# KiCad board Phoenixia2.kicad_pcb (continued)
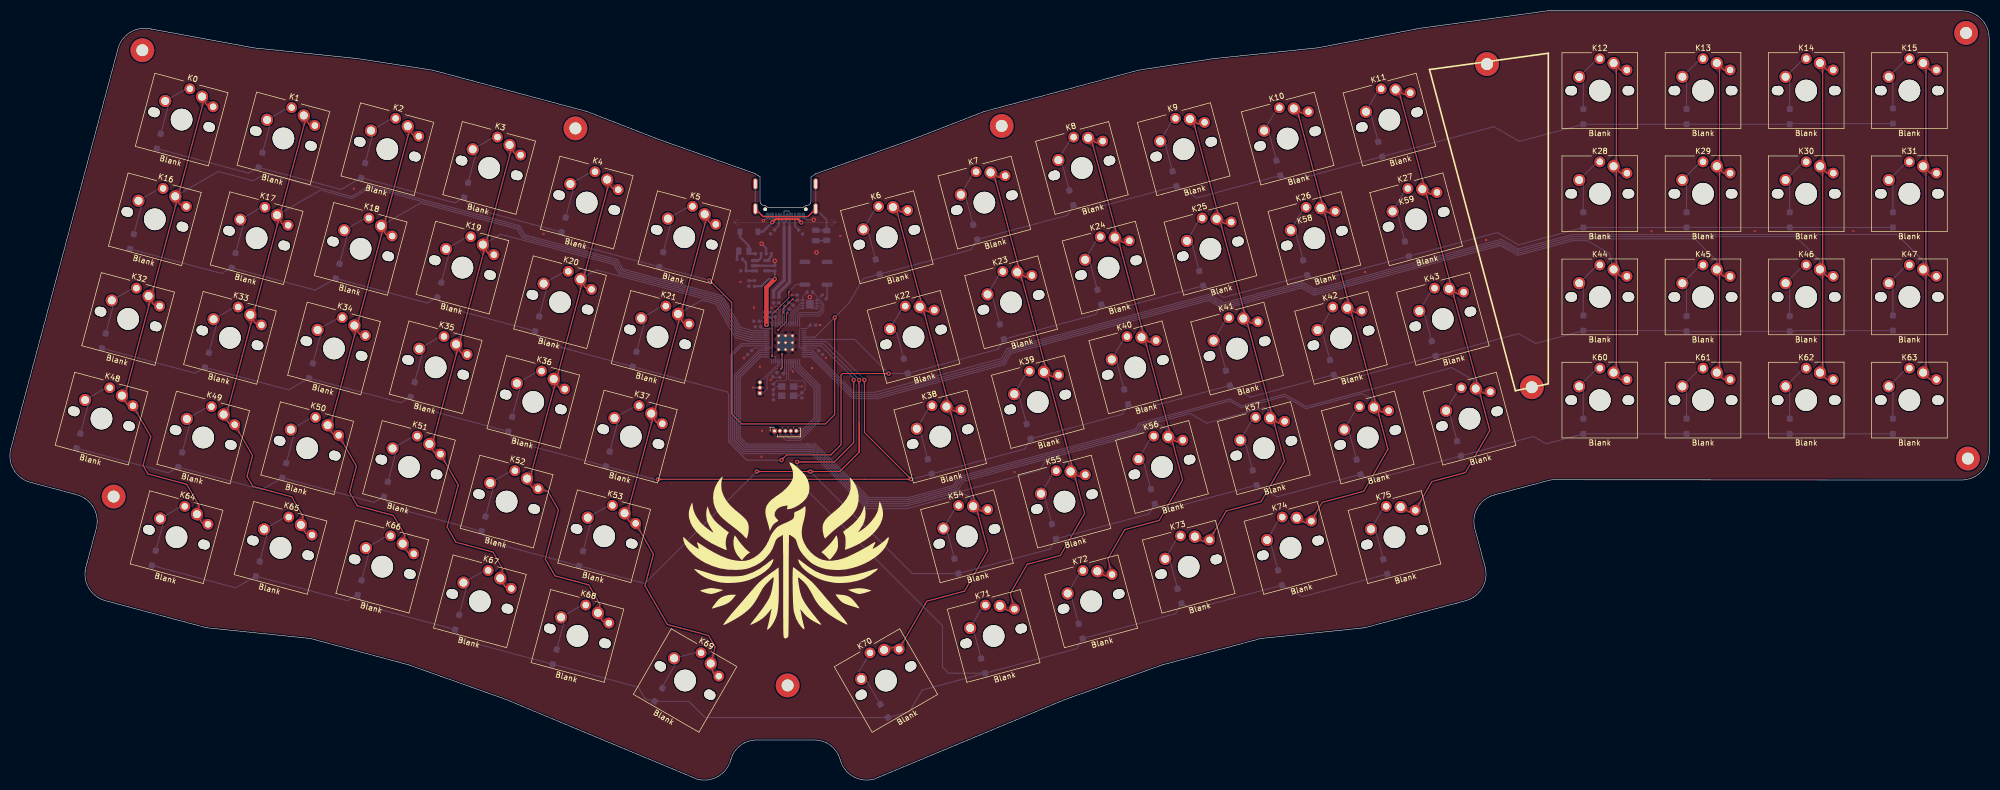
[diagram p0: board, top side]
## Nets (continued)
Net-(D57-A): D57.2 K57.2
Net-(D58-A): D58.2 K58.2
Net-(D59-A): D59.2 K59.2
Net-(D60-A): D60.2 K60.2
Net-(D61-A): D61.2 K61.2
Net-(D62-A): D62.2 K62.2
Net-(D63-A): D63.2 K63.2
Net-(D64-A): D64.2 K64.2
Net-(D65-A): D65.2 K65.2
Net-(D66-A): D66.2 K66.2
Net-(D67-A): D67.2 K67.2
Net-(D68-A): D68.2 K68.2
Net-(D69-A): D69.2 K69.2
Net-(D70-A): D70.2 K70.2
Net-(D71-A): D71.2 K71.2
Net-(D72-A): D72.2 K72.2
Net-(D73-A): D73.2 K73.2
Net-(D74-A): D74.2 K74.2
Net-(D75-A): D75.2 K75.2
Net-(F1-Pad1): F1.1 FB1.1
Net-(U1-BP): CBP1.1 U1.4
Net-(U1-IN): C1.1 FB1.2 U1.1
Net-(U3-USB_DM): R4.2 U3.46
Net-(U3-USB_DP): R3.2 U3.47
Net-(USB1-CC1): R5.2 USB1.A5
Net-(USB1-CC2): R6.2 USB1.B5
Net-(USB1-SHIELD): C9.1 R8.1 USB1.S1

Pads without a net: DLED1 2; H2 1; H2#2 1; H2#3 1; H2#4 1; H2#5 1; H2#6 1; H2#7 1; H2#8 1; H2#9 1; R9 1; USB1 A8 B8

## Via types
v1: diameter 0.4, hole 0.2, Top to Bottom, 32 vias
v2: diameter 0.8, hole 0.4, Top to Bottom, 21 vias
v3: diameter 0.6, hole 0.3, Top to Bottom, 1 via

## Routing (per net, layer and track width the routed paths; a pad name or vN(x,y) marks a point on that pad's centre or on a via; arc(x,y) is an arc through that point)
3V3_EN: length 2.2
  Bottom w0.4: U1.3 138.16,95.91 138.67,96.42 R7.1
+1V1: length 14.3
  Top w0.15: v1(141.79,83.07) 143.39,84.67 143.39,86.11 v1(143.57,86.29)
  Top w0.2: v1(142.56,78.68) 142.56,76.14 v1(142.34,75.92)
  Bottom w0.15: C6.1 141.62,75.21 v1(142.34,75.92) ; C3.1 141.39,85.41 U3.45 141.39,83.77 ; U3.50 143.39,86.11 v1(143.57,86.29) 143.57,86.57 C7.1 ; 141.84,83.07 v1(141.79,83.07)
  Bottom w0.2: U3.23 142.59,76.17 v1(142.34,75.92)
+3V3: length 58.2
  Top w0.15: v1(142.77,86.26) 142.77,87.03 v1(144.55,88.81)
  Top w0.8: v2(139.69,84.09) 139.66,84.11 139.66,90.96 v2(141.21,92.51)
  Bottom w0.15: U3.43 140.59,84.24 139.39,85.44 C102.1 ; C15.1 147.13,83.37 U3.1 146.61,83.36 145.94,83.36 145.74,83.16 145.74,79.97 145.94,79.77 U3.10 148.82,79.77 C14.1 ; 142.99,85.93 142.99,86.58 ; 142.99,85.93 U3.49 ; 142.99,85.93 142.99,86.04 v1(142.77,86.26) ; 142.99,86.58 142.99,86.48 v1(142.77,86.26) ; 142.99,86.58 142.99,87.44 C11.1 142.59,87.04 142.59,86.53 ; U3.22 142.99,75.22 C8.1 ; C18.1 139.06,84.72 v2(139.69,84.09) ; v1(144.55,88.81) 144.76,88.6 C5.1 FLASH1.8 146.4,89.32 R2.1 ; v1(142.77,86.26) 142.59,86.08 142.59,85.93 ; v1(142.77,86.26) 142.59,86.44 142.59,86.53 ; C13.1 137.39,79.76 139.74,79.76 U3.33 140.39,79.77 140.74,80.12 140.74,83.22 140.59,83.37 U3.42 138.92,83.37 C16.1 ; 142.59,86.53 142.59,85.93 ; 142.59,85.93 U3.48 ; U3.44 140.99,84.78 140.33,85.44 C10.1
  Bottom w0.4: U1.5 139.75,94.01 C4.1 v2(141.21,92.51) 141.16,92.46 140.04,92.46 138.76,91.19 R9.2
GND: length 28.6
  Bottom w0.15: v1(149.59,84.01) 149.57,83.99 C15.2 ; C5.2 144.36,89.56 v1(144.34,89.54) ; C8.2 141.05,74.35 C6.2 ; C3.2 141.16,86.4 C102.2 ; 136.22,78.61 v1(135.49,77.87)
  Bottom w0.2: J5.2 138.44,72.47 v1(137.24,72.47) ; USB1.A12 147.24,103.44 148.38,103.44 v2(148.39,103.45) ; v2(147.69,89.19) FLASH1.9 148.44,87.1 FLASH1.4 ; v1(140.41,73.92) 140.87,74.38 C6.2 ; v3(139.11,103.29) 139.89,104.06 USB1.A1 ; v1(144.58,75.41) 144.19,75.8 U3.19 ; 144.74,72.72 Y1.4 v1(146.21,72.67)
  Bottom w0.25: C7.2 144.07,88.18 C11.2 ; J2.2 150.86,95.99 ; C13.2 136.22,78.61
  Bottom w0.3: R8.2 150.73,99.6 C9.2
  Bottom w0.4: v2(141.21,95.86) C4.2 137.48,94.97 U1.2 ; CBP1.2 139.61,98.21 138.78,99.04 v2(138.77,99.04)
  vias: v1(63.51,109.18) v1(98.49,100.85) v1(134.89,91.94) v1(137.36,87.24) v1(138.49,76.34) v1(138.74,59.69) v1(138.86,64.49) v1(140.61,87.2) v1(148.09,76.04) v1(150.64,77.96) v1(153.31,100.44) v1(185.46,56.84) v1(250.17,93.79) v1(272.52,99.72) v1(303.05,101.33) v1(322.11,101.35) v1(340.33,101.37) v2(148.91,97.41)
VBUS: length 12.3
  Top w0.4: v2(140.74,102.97) 141.32,103.56 145.49,103.56 v2(146.11,102.94)
  Bottom w0.4: 139.71,101.94 139,101.24 D100.2 ; 139.71,101.94 v2(140.74,102.97) USB1.A4 ; 139.71,101.94 139.42,101.66 ; v2(146.11,102.94) 145.64,103.41 USB1.A9
/QSPI_SCLK: length 4.6
  Bottom w0.15: FLASH1.6 145.98,87.6 144.19,85.81 U3.52
/QSPI_SD0: length 3.9
  Bottom w0.15: FLASH1.5 145.94,87.1 144.59,85.75 U3.53
/QSPI_SD1: length 8.5
  Bottom w0.15: U3.55 145.39,85.47 145.93,86.01 149.28,86.01 149.93,86.66 149.93,87.77 149.6,88.1 FLASH1.2
/QSPI_SD2: length 7.7
  Bottom w0.15: FLASH1.3 149.33,87.6 149.61,87.32 149.61,86.8 149.15,86.34 145.8,86.34 144.99,85.53 U3.54
/QSPI_SD3: length 5.2
  Bottom w0.15: FLASH1.7 146.01,88.1 143.79,85.87 U3.51
/QSPI_SS: length 12.3
  Bottom w0.15: FLASH1.1 148.99,88.6 R1.1 ; FLASH1.1 149.57,88.6 150.26,87.9 150.26,86.53 149.42,85.68 146.07,85.68 145.79,85.4 U3.56 ; FLASH1.1 148.97,89.32 R2.2
/RUN: length 18.5
  Top w0.15: v1(140.71,78.27) 140.71,85.97 143.81,89.07 v1(143.81,90.17)
  Bottom w0.15: U3.26 141.39,78.07 141.19,78.27 v1(140.71,78.27) ; 147.11,91.51 145.14,91.51 143.81,90.19 v1(143.81,90.17)
/SWCLK: length 7.9
  Bottom w0.15: U3.24 142.19,76.47 141.69,75.97 141.39,75.97 139.79,74.37 139.79,72.19 139.04,71.44 J5.1
/SWD: length 5.7
  Bottom w0.15: J5.3 138.46,73.84 138.61,73.99 138.99,73.99 141.41,76.42 141.7,76.42 141.79,76.51 U3.25
/~{USB_BOOT}: length 2.7
  Bottom w0.25: R1.2 150.86,89.02 J2.1
Col_0: length 220.7
  Top w0.2: K16.1 30.89,107.15 26.23,89.74 K32.1 ; K16.1 31.43,106.21 K16.1 ; K16.1 31.16,108.14 35.83,125.57 K0.1 36.37,124.62 K0.1 ; K32.1 26.5,87.81 K32.1 ; K32.1 25.96,88.75 21.3,71.35 K48.1 21.58,69.42 K48.1 26.01,63.42 24.58,58.08 25.48,56.53 32.64,54.61 34.94,50.63 K64.1 35.43,47.53 K64.1
  Bottom w0.2: U3.41 137.13,82.97 134.92,83.56 131.53,89.42 113.14,94.35 112.14,96.09 95.07,100.66 94.09,102.36 66.53,109.75 63.06,107.75 47.23,111.99 44.9,110.64 38.47,112.36 K16.1
Col_1: length 200
  Top w0.2: K49.1 40.36,65.93 K49.1 44.79,59.92 43.77,56.1 44.85,54.23 52.03,52.31 54.14,48.66 K65.1 54.63,45.55 K65.1 ; K49.1 40.09,67.86 44.75,85.27 K33.1 ; K49.1 39.39,67.26 39.09,67.08 ; K17.1 50.22,102.73 K17.1 ; K33.1 45.29,84.33 K33.1 ; K33.1 45.02,86.26 49.68,103.67 K17.1 ; K17.1 49.95,104.66 54.62,122.09 K1.1 55.16,121.14 K1.1
  Bottom w0.2: U3.40 137.04,82.57 134.81,83.16 134.81,83.17 134.73,83.19 131.3,89.12 112.91,94.05 111.91,95.79 94.84,100.36 93.86,102.06 66.58,109.37 63.36,107.51 63.11,107.37 57.32,108.92 K17.1
Col_2: length 180.3
  Top w0.2: K34.1 64.21,84.29 68.87,101.7 K18.1 ; K34.1 64.5,82.36 K34.1 ; K34.1 63.95,83.32 59.28,65.88 K50.1 59.56,63.95 K50.1 63.99,57.95 62.7,53.13 64.13,50.64 70.8,48.85 72.92,45.19 K66.1 73.42,42.08 K66.1 ; K2.1 74.35,119.16 K2.1 73.81,120.1 69.14,102.68 K18.1 ; K18.1 69.42,100.76 K18.1
  Bottom w0.2: U3.39 136.94,82.17 134.53,82.81 131.06,88.82 112.68,93.75 111.68,95.49 94.61,100.06 93.63,101.76 75.81,106.53 K18.1
Col_3: length 162.6
  Top w0.2: K35.1 82.73,79.82 78.07,62.42 K51.1 78.35,60.48 K51.1 82.78,54.47 80.7,46.73 82.32,43.93 89.19,42.09 90.99,38.98 K67.1 91.43,35.69 K67.1 ; K35.1 83,80.82 87.67,98.24 K19.1 ; K35.1 83.28,78.89 K35.1 ; K19.1 88.22,97.3 K19.1 ; K19.1 87.93,99.22 92.6,116.64 K3.1 93.15,115.7 K3.1
  Bottom w0.2: U3.38 136.85,81.77 134.34,82.44 130.83,88.52 112.45,93.45 111.45,95.19 90.61,100.77 K19.1
Col_4: length 143.9
  Top w0.2: K52.1 95.4,55.42 95.39,55.41 ; K52.1 96.37,54.1 K52.1 99.3,53.32 101.27,49.89 98.84,40.82 100.64,37.71 106.85,36.04 108.95,32.4 K68.1 109.45,29.3 K68.1 ; K52.1 96.08,56.03 100.75,73.44 K36.1 ; K20.1 106.23,90.9 K20.1 ; K20.1 105.68,91.86 101.01,74.42 K36.1 ; K20.1 105.94,92.83 110.61,110.26 K4.1 111.16,109.31 K4.1 ; K36.1 101.29,72.49 K36.1
  Bottom w0.2: K20.1 108.3,94.19 130.59,88.21 134.14,82.07 136.75,81.37 U3.37
Col_5: length 128.9
  Top w0.2: K37.1 119.02,68.02 123.69,85.46 K21.1 ; K37.1 118.76,67.05 114.09,49.62 K53.1 ; K37.1 119.31,66.1 K37.1 ; K21.1 124.24,84.5 K21.1 ; K21.1 123.95,86.42 128.62,103.86 K5.1 129.17,102.9 K5.1 ; 113.77,49.44 113.48,49.27 K53.1 ; K53.1 114.38,47.7 K53.1 118.8,41.71 117.24,35.89 121.37,28.73 128.98,26.69 130.2,24.58 K69.1 129.85,19.77 K69.1
  Bottom w0.2: U3.36 136.66,80.97 133.91,81.7 130.32,87.91 127.73,88.61 K21.1
Col_6: length 183.8
  Top w0.2: K70.1 163.42,24.59 K70.1 ; K38.1 173.25,69.6 168.58,87.01 K22.1 ; K38.1 173.51,68.61 178.18,51.19 K54.1 ; K38.1 174.46,68.07 K38.1 ; 168.94,32.47 164.15,24.18 ; 168.94,32.47 169.09,32.72 ; 168.94,32.47 169.26,33.03 176.23,34.9 180.54,42.36 178.45,50.19 K54.1 ; K22.1 168.32,88 163.65,105.42 K6.1 164.59,104.87 K6.1 ; K22.1 169.52,86.47 K22.1 ; K54.1 179.38,49.65 K54.1
  Bottom w0.2: U3.35 135.01,80.57 133.05,78.61 133.05,62.55 135.33,60.27 148,60.27 158.16,50.11 165.5,50.11 175.98,52.92 177.4,52.1 K54.1
Col_7: length 200.8
  Top w0.2: K39.1 191.52,75 196.18,57.6 K55.1 ; K39.1 192.46,74.46 K39.1 ; K39.1 191.26,75.99 186.59,93.4 K23.1 ; K55.1 197.39,56.07 K55.1 ; K55.1 196.45,56.62 198.42,49.26 193.93,41.48 187.8,39.83 184.69,34.45 K71.1 184.32,31.27 K71.1 ; K23.1 186.32,94.39 181.66,111.82 K7.1 182.6,111.27 K7.1 ; K23.1 187.53,92.86 K23.1
  Bottom w0.2: 133.9,78.96 133.4,78.46 133.4,62.69 135.44,60.65 147.94,60.65 ; 133.9,78.96 133.79,78.85 ; 133.9,78.96 135.1,80.17 U3.34 ; K55.1 195.41,58.51 193.65,59.53 191.13,58.85 190.19,57.23 165.48,50.61 158.15,50.61 148.11,60.65 147.18,60.65
Col_8: length 215.9
  Top w0.2: K24.1 205.54,99.26 K24.1 ; K56.1 214.19,63.99 209.53,81.38 K40.1 ; K56.1 215.4,62.46 K56.1 ; K56.1 214.46,63 216.49,55.41 212.18,47.95 205.8,46.24 202.69,40.84 K72.1 202.32,37.66 K72.1 ; K40.1 210.46,80.85 K40.1 ; K24.1 204.33,100.8 199.67,118.2 K8.1 200.6,117.66 K8.1 ; K24.1 204.6,99.8 209.26,82.39 K40.1
  Bottom w0.2: U3.32 138.34,79.37 133.75,74.78 133.75,62.84 135.59,61 148.26,61 158.1,51.16 ; 158.1,51.16 158.23,51.03 ; 158.1,51.16 158.23,51.03 ; 158.23,51.03 165.7,51.03 175.02,53.53 175.96,55.15 208.75,63.93 209.39,65.04 211.98,65.73 213.42,64.9 K56.1
Col_9: length 231.3
  Top w0.2: K25.1 223.39,103.28 228.06,85.85 K41.1 ; K25.1 224.33,102.73 K25.1 ; K25.1 223.12,104.26 218.46,121.68 K9.1 219.4,121.13 K9.1 ; K73.1 220.32,44.04 K73.1 224.54,49.68 230.98,51.4 235.29,58.87 233.25,66.48 K57.1 ; K41.1 229.26,84.32 K41.1 ; K41.1 228.32,84.86 232.99,67.46 K57.1 ; K57.1 234.19,65.93 K57.1
  Bottom w0.2: U3.31 138.43,78.97 134.1,74.64 134.1,63.01 135.76,61.35 148.4,61.35 158.35,51.4 165.73,51.4 174.65,53.79 175.59,55.41 208.4,64.2 209.03,65.3 217.87,67.67 220.91,65.92 231.53,68.77 232.21,68.37 K57.1
Col_10: length 250.1
  Top w0.2: K26.1 243.52,104.71 K26.1 ; K26.1 242.32,106.24 237.66,123.63 K10.1 238.59,123.09 K10.1 ; K26.1 242.58,105.25 247.25,87.83 K42.1 ; K58.1 252.44,68.44 254.41,61.1 249.92,53.33 242.25,51.27 K74.1 239.12,47.52 K74.1 ; K58.1 252.18,69.44 247.52,86.83 K42.1 ; K58.1 253.38,67.9 K58.1 ; K42.1 248.45,86.29 K42.1
  Bottom w0.2: K58.1 251.4,70.35 249.64,71.36 245.14,70.15 239.27,68.58 235.31,70.86 227.35,68.73 225.17,69.99 208.61,65.55 207.97,64.45 175.36,55.71 174.42,54.09 166.23,51.9 ; 166.23,51.9 165.78,51.78 ; 166.23,51.9 165.76,51.77 158.48,51.77 148.55,61.7 135.91,61.7 134.45,63.16 134.45,74.49 138.53,78.57 U3.30
Col_11: length 269
  Top w0.2: K27.1 262.31,108.19 K27.1 ; K43.1 266.04,91.32 261.37,108.73 K27.1 ; K43.1 267.24,89.78 K43.1 ; K43.1 266.3,90.33 270.97,72.92 K59.1 ; K27.1 261.11,109.72 256.44,127.13 K11.1 257.38,126.59 K11.1 ; K59.1 272.17,71.38 K59.1 ; K59.1 271.23,71.93 273.21,64.56 268.72,56.78 262.52,55.12 K75.1 258.31,49.5 K75.1
  Bottom w0.2: U3.29 138.65,78.17 134.8,74.32 134.8,63.32 136.07,62.05 147.17,62.05 ; 147.17,62.05 148.69,62.05 158.59,52.15 165.83,52.15 174.19,54.39 175.12,56.01 207.74,64.75 208.38,65.85 225.22,70.37 227.4,69.11 235.36,71.24 239.32,68.96 266.16,76.15 270.19,73.83 K59.1 ; 147.17,62.05 147.36,62.05
Col_12: length 235.4
  Top w0.2: K12.1 297.33,131.09 K12.1 296.56,131.86 296.56,113.84 K28.1 ; K44.1 297.34,93 K44.1 ; K60.1 297.34,73.95 K60.1 296.56,75.74 296.56,93.78 K44.1 ; K28.1 296.56,112.83 296.56,94.79 K44.1 ; K28.1 297.34,112.05 K28.1
  Bottom w0.2: 275.17,98.71 274.25,98.46 ; 275.17,98.71 276.8,97.77 ; 275.17,98.71 274.25,98.46 ; 275.17,98.71 278.35,96.88 288.47,99.59 291.19,99.59 295.27,97.24 K44.1 ; 274.25,98.46 272.29,97.94 240.81,89.5 238.45,90.87 234.15,89.71 224,87 221.31,88.55 219.92,88.18 190.67,80.34 184.85,78.78 183.66,76.73 160.1,70.42 155.6,70.42 151.86,74.16 ; U3.14 147.85,78.17 151.86,74.16 ; 151.86,74.16 151.91,74.11
Col_13: length 252
  Top w0.2: K45.1 315.61,94.78 315.61,112.83 K29.1 ; K45.1 315.61,93.76 315.61,75.74 K61.1 316.39,73.95 K61.1 ; K45.1 316.38,92.99 K45.1 ; K29.1 315.61,113.84 315.61,131.88 K13.1 316.39,131.1 K13.1 ; K29.1 316.39,112.05 K29.1
  Bottom w0.2: U3.13 147.95,78.57 155.63,70.88 155.64,70.88 155.73,70.78 160.02,70.78 183.45,77.06 183.71,77.51 184.33,78.59 184.62,79.08 197.02,82.41 221.36,88.93 224.05,87.37 234.37,90.14 238.5,91.24 240.86,89.88 275.22,99.08 278.4,97.25 288.42,99.94 311.02,99.94 315.1,95.86 K45.1
Col_14: length 272.3
  Top w0.2: K30.1 334.66,113.84 334.66,131.88 K14.1 335.44,131.1 K14.1 ; K30.1 335.44,112.05 K30.1 ; K30.1 334.66,112.83 334.66,94.79 K46.1 ; K46.1 335.44,93 K46.1 ; K46.1 334.66,93.78 334.66,75.74 K62.1 335.44,73.95 K62.1
  Bottom w0.2: 155.01,72 155.85,71.16 159.91,71.16 ; U3.12 148.04,78.97 152.61,74.4 155.79,71.22 ; 159.91,71.16 162.12,71.75 162.12,71.75 183.25,77.41 184.39,79.38 221.41,89.3 224.1,87.75 238.55,91.62 240.91,90.25 275.27,99.46 278.39,97.66 288.43,100.35 329.68,100.35 334.16,95.87 K46.1 ; 159.91,71.16 159.91,71.16
Col_15: length 290.3
  Top w0.2: K47.1 354.49,93 K47.1 ; K47.1 353.71,93.78 353.71,75.74 K63.1 354.49,73.95 K63.1 ; K47.1 353.71,94.79 353.71,112.83 K31.1 ; K31.1 353.71,113.84 353.71,131.88 K15.1 354.49,131.1 K15.1 ; K31.1 354.49,112.05 K31.1
  Bottom w0.2: U3.11 148.14,79.37 155.9,71.6 159.79,71.6 183,77.82 184.06,79.66 221.45,89.68 224.15,88.12 238.6,91.99 240.96,90.63 275.32,99.84 278.42,98.05 288.45,100.73 348.35,100.73 353.21,95.87 K47.1
Row_0: length 387.9
  Top w0.2: 152.26,85.37 152.26,67.49 150.53,65.76 135.1,65.76 133.26,67.6 133.26,88.16 v2(129.13,92.29)
  Bottom w0.2: U3.5 148.62,81.77 v2(152.28,85.41) 154.89,88.04 157.53,92.6 D6.1 177.48,97.94 D7.1 195.25,104.28 D8.1 198.17,105.06 D9.1 219.11,107.51 D10.1 236.39,110.58 D11.1 273.96,120.65 278.68,117.92 D12.1 D13.1 D14.1 328.7,121.21 D15.1 ; D5.1 102.95,99.29 D4.1 84.92,105.69 D3.1 82.16,106.57 D2.1 61.11,109.04 D1.1 44.06,112.05 D0.1 ; D5.1 119.87,94.66 ; D5.1 129.12,92.27 v2(129.13,92.29) 129.13,92.27 129.13,92.27
Row_1: length 383.2
  Top w0.2: v2(142.44,59.08) 143.4,60.04 151.56,60.04 153.45,61.93 153.45,74.78 153.73,75.06 162.24,75.06 v2(162.25,75.05) 162.26,75.06 162.27,75.06
  Bottom w0.2: 149.72,81.37 U3.6 ; 149.72,81.37 149.84,81.37 ; 149.72,81.37 155.93,81.37 162.23,75.07 D22.1 182.41,79.54 D23.1 200.43,85.95 D24.1 ; 142.47,59.07 142.45,59.07 v2(142.44,59.08) 142.43,59.07 136.03,59.07 132.7,62.4 132.7,71.22 132.45,71.66 127.02,73.11 D21.1 98.14,80.85 D20.1 79.9,87.45 D19.1 77.07,88.08 D18.1 56.39,90.45 D17.1 39.1,93.53 D16.1 ; D24.1 203.35,86.73 D25.1 224.04,89.11 D26.1 241.32,92.18 D27.1 274.59,101.1 278.52,98.83 D28.1 D29.1 D30.1 D31.1 ; D24.1 201.5,87.79
Row_2: length 382
  Top w0.2: v2(119.63,55.53) 119.64,55.54 v2(166.39,55.54) 157.76,64.18 v2(157.76,73.88)
  Bottom w0.2: 110.01,57.53 D37.1 ; D37.1 93.08,62.49 D36.1 75.06,68.89 D35.1 72.14,69.68 55.2,74.21 51.46,72.05 D33.1 34.17,75.13 D32.1 ; D37.1 119.45,55.42 v2(119.63,55.53) ; 157.75,73.93 157.8,73.88 v2(157.76,73.88) 157.76,73.92 150.71,80.97 149.4,80.97 ; 149.4,80.97 149.75,80.97 ; 149.4,80.97 U3.7 ; 122.15,54.69 122.15,54.67 ; D47.1 329.44,82.98 329.31,82.85 D46.1 D45.1 309.39,82.98 D44.1 281.67,80.62 278.53,82.43 D43.1 246.25,73.78 D42.1 228.97,70.71 D41.1 208.28,68.33 D40.1 205.36,67.55 D39.1 187.35,61.14 D38.1 166.41,55.53 v2(166.39,55.54)
Row_3: length 408.4
  Top w0.2: 156.77,60.54 v2(156.77,73.88) ; 156.77,60.54 156.77,66 ; 156.77,60.54 153.2,56.97 v2(147.76,56.97) v2(137.88,56.97)
  Bottom w0.2: 157.37,47.37 166.61,38.13 168.54,38.13 174.52,38.13 174.53,38.14 D54.1 192.03,42.68 D55.1 210.29,49.15 D56.1 213.21,49.93 D57.1 233.9,52.3 D58.1 251.18,55.38 D59.1 281.26,63.44 283.6,62.09 D60.1 D61.1 D62.1 D63.1 ; 157.37,47.37 157.14,47.6 ; 157.37,47.37 156.76,47.98 147.77,56.97 v2(147.76,56.97) ; D53.1 88.15,44.08 D52.1 70.13,50.49 D51.1 67.21,51.27 D50.1 46.53,53.65 D49.1 29.24,56.73 D48.1 ; D53.1 117.21,36.3 125.64,44.73 125.64,44.74 v2(137.88,56.97) ; D53.1 105.1,39.63 ; 156.79,73.92 156.83,73.88 v2(156.77,73.88) 156.77,73.94 150.14,80.57 U3.8
Row_4: length 344.9
  Top w0.2: v2(155.76,73.89) 155.77,73.88 155.77,62.3 152.2,58.73 145.33,58.73 v2(145.31,58.75)
  Bottom w0.2: U3.9 149.76,80.17 155.76,74.17 v2(155.76,73.89) 155.76,73.72 ; 144.87,11.54 128.31,11.55 125.32,14.55 D69.1 117.26,15.02 116.04,17.14 D68.1 83.28,25.92 D67.1 65.27,32.32 D66.1 62.33,33.11 D65.1 41.67,35.49 D64.1 ; 144.87,11.54 145.38,11.54 ; 144.87,11.54 144.89,11.56 ; D71.1 168.38,16.62 166.06,12.61 D70.1 145.84,11.54 145.38,11.54 ; D71.1 173.3,19.74 172.17,20.87 172.17,28.48 145.31,55.34 v2(145.31,58.75) 145.27,58.71 ; D71.1 196.96,24.27 D72.1 215.21,30.74 D73.1 218.16,31.53 D74.1 238.57,33.85 D75.1 254.24,38.18 ; 145.38,11.54 138.34,11.54
SPARE1: length 22.5
  Bottom w0.2: REF**.2 142.16,63.85 143.27,62.74 145.91,62.74 149.55,66.38 149.55,72.85 145.79,76.62 U3.15
SPARE2: length 20.8
  Bottom w0.2: U3.16 145.39,76.46 149.19,72.65 149.19,66.52 145.76,63.09 143.84,63.09 143.16,63.77 REF**.3
SPARE3: length 19
  Bottom w0.2: U3.17 144.99,76.36 148.84,72.51 148.84,66.72 145.56,63.44 144.54,63.44 144.16,63.82 REF**.4
SPARE4: length 16.5
  Bottom w0.2: 144.59,76.42 144.59,76.22 148.49,72.31 148.49,66.89 146.05,64.45 146.03,64.47 REF**.5 ; 144.59,76.42 144.59,76.31 ; 144.59,76.42 U3.18
USB_D+: length 18.5
  Bottom w0.3: 143.94,102.15 143.94,102.15 USB1.B6 143.94,104.91 143.74,105.11 143.14,105.11 142.94,104.91 USB1.A6
  Bottom w0.6: 143.94,102.14 143.94,91.94 141.97,89.97 R3.1
USB_D-: length 17.6
  Bottom w0.3: 142.93,102.11 142.93,102.89 ; 142.93,102.89 143.44,103.4 USB1.A7 ; 142.93,102.89 142.44,103.39 USB1.B7
  Bottom w0.4: 140.98,90.33 140.99,90.34
  Bottom w0.6: R4.1 140.98,90.33 ; 140.99,90.34 142.94,92.29 142.94,102.1
VSYS: length 5.7
  Bottom w0.4: R7.2 136.9,97.19 F1.2 136.42,98.63 134.79,100.26 D100.1
XIN: length 10.4
  Bottom w0.15: Y1.1 145.67,70.97 C2.2 146.24,71.52 146.81,72.09 146.81,73.27 146.36,73.72 144.14,73.72 143.79,74.07 U3.20
XOUT: length 6.1
  Bottom w0.15: U3.21 143.39,74.07 143.04,73.72 141.57,73.72 R11.1
Net-(C19-Pad2): length 2.7
  Bottom w0.15: C19.2 140.96,72.07 R11.2 141.54,72.67 Y1.3
Net-(D0-A): length 11.6
  Bottom w0.2: D0.2 29.21,124.45 K0.2 32.79,127.76 K0.2
Net-(D1-A): length 11.6
  Bottom w0.2: D1.2 48,120.97 K1.2 51.58,124.28 K1.2
Net-(D2-A): length 11.5
  Bottom w0.2: D2.2 67.02,119.28 K2.2 70.77,122.29 K2.2
Net-(D3-A): length 11.7
  Bottom w0.2: K3.2 89.57,118.83 K3.2 85.99,115.52 D3.2
Net-(D4-A): length 11.7
  Bottom w0.2: D4.2 104.01,109.13 K4.2 107.58,112.44 K4.2
Net-(D5-A): length 11.7
  Bottom w0.2: K5.2 125.59,106.04 K5.2 122.01,102.73 D5.2
Net-(D6-A): length 11.5
  Bottom w0.2: K6.2 159.93,105.79 K6.2 158.48,101.14 D6.2
Net-(D7-A): length 11.5
  Bottom w0.2: K7.2 177.93,112.2 K7.2 176.49,107.54 D7.2
Net-(D8-A): length 11.4
  Bottom w0.2: D8.2 194.18,114.11 K8.2 195.94,118.58 K8.2
Net-(D9-A): length 12.9
  Bottom w0.2: K9.2 214.73,122.06 K9.2 ; K9.2 213.29,117.4 D9.2 ; K9.2 213.6,117.22
Net-(D10-A): length 11.5
  Bottom w0.2: K10.2 233.92,124.02 K10.2 232.48,119.36 D10.2
Net-(D11-A): length 11.5
  Bottom w0.2: D11.2 251.27,122.86 K11.2 252.71,127.51 K11.2
Net-(D12-A): length 11.5
  Bottom w0.2: D12.2 290.47,129.06 K12.2 293.06,133.19 K12.2
Net-(D13-A): length 11.5
  Bottom w0.2: K13.2 312.12,133.2 K13.2 309.52,129.08 D13.2
Net-(D14-A): length 11.5
  Bottom w0.2: D14.2 328.57,129.08 K14.2 331.17,133.2 K14.2
Net-(D15-A): length 11.4
  Bottom w0.2: K15.2 350.22,133.2 K15.2 347.62,129.08 D15.2
Net-(D16-A): length 11.7
  Bottom w0.2: K16.2 27.85,109.34 K16.2 24.28,106.03 D16.2
Net-(D17-A): length 11.7
  Bottom w0.2: D17.2 43.07,102.55 K17.2 46.64,105.86 K17.2
Net-(D18-A): length 11.7
  Bottom w0.2: K18.2 65.84,103.89 K18.2 62.27,100.57 D18.2
Net-(D19-A): length 11.7
  Bottom w0.2: D19.2 81.06,97.12 K19.2 84.64,100.43 K19.2
Net-(D20-A): length 11.6
  Bottom w0.2: D20.2 99.07,90.73 K20.2 102.65,94.04 K20.2
Net-(D21-A): length 11.7
  Bottom w0.2: K21.2 120.66,87.64 K21.2 117.08,84.33 D21.2
Net-(D22-A): length 11.6
  Bottom w0.2: D22.2 163.73,82.56 K22.2 164.86,87.39 K22.2
Net-(D23-A): length 11.5
  Bottom w0.2: D23.2 181.43,89.12 K23.2 182.86,93.78 K23.2
Net-(D24-A): length 11.5
  Bottom w0.2: K24.2 200.87,100.18 K24.2 199.42,95.53 D24.2
Net-(D25-A): length 11.5
  Bottom w0.2: D25.2 218.22,99 K25.2 219.67,103.66 K25.2
Net-(D26-A): length 11.5
  Bottom w0.2: K26.2 238.85,105.63 K26.2 237.41,100.97 D26.2
Net-(D27-A): length 11.5
  Bottom w0.2: K27.2 257.64,109.11 K27.2 256.2,104.45 D27.2
Net-(D28-A): length 11.5
  Bottom w0.2: K28.2 293.07,114.15 K28.2 290.47,110.03 D28.2
Net-(D29-A): length 11.5
  Bottom w0.2: K29.2 312.12,114.15 K29.2 309.52,110.03 D29.2
Net-(D30-A): length 11.5
  Bottom w0.2: D30.2 328.57,110.03 K30.2 331.17,114.15 K30.2
Net-(D31-A): length 11.5
  Bottom w0.2: K31.2 350.22,114.15 K31.2 347.62,110.03 D31.2
Net-(D32-A): length 11.6
  Bottom w0.2: D32.2 19.17,87.94 K32.2 22.92,90.94 K32.2
Net-(D33-A): length 11.7
  Bottom w0.2: K33.2 41.71,87.46 K33.2 38.14,84.15 D33.2
Net-(D34-A): length 11.7
  Bottom w0.2: D34.2 57.34,82.19 K34.2 60.92,85.5 K34.2
Net-(D35-A): length 11.7
  Bottom w0.2: D35.2 76.12,78.7 K35.2 79.7,82.02 K35.2
Net-(D36-A): length 11.7
  Bottom w0.2: K36.2 97.71,75.63 K36.2 94.14,72.31 D36.2
Net-(D37-A): length 11.7
  Bottom w0.2: K37.2 115.73,69.23 K37.2 112.15,65.93 D37.2
Net-(D38-A): length 11.4
  Bottom w0.2: D38.2 168.03,64.52 K38.2 169.79,68.99 K38.2
Net-(D39-A): length 11.5
  Bottom w0.2: D39.2 186.36,70.72 K39.2 187.79,75.38 K39.2
Net-(D40-A): length 11.5
  Bottom w0.2: K40.2 205.79,81.77 K40.2 204.36,77.11 D40.2
Net-(D41-A): length 11.5
  Bottom w0.2: D41.2 223.16,80.58 K41.2 224.59,85.24 K41.2
Net-(D42-A): length 11.5
  Bottom w0.2: D42.2 242.34,82.56 K42.2 241.84,83.21 K42.2
Net-(D43-A): length 11.5
  Bottom w0.2: D43.2 261.13,86.05 K43.2 262.57,90.71 K43.2
Net-(D44-A): length 11.5
  Bottom w0.2: D44.2 290.47,90.98 K44.2 293.07,95.1 K44.2
Net-(D45-A): length 11.6
  Bottom w0.2: D45.2 309.52,90.96 K45.2 312.11,95.09 K45.2
Net-(D46-A): length 11.6
  Bottom w0.2: D46.2 328.57,90.98 K46.2 331.17,95.1 K46.2
Net-(D47-A): length 11.5
  Bottom w0.2: D47.2 347.62,90.98 K47.2 350.22,95.1 K47.2
Net-(D48-A): length 11.7
  Bottom w0.2: K48.2 18,72.55 K48.2 14.42,69.24 D48.2
Net-(D49-A): length 11.7
  Bottom w0.2: D49.2 33.21,65.75 K49.2 36.78,69.06 K49.2
Net-(D50-A): length 11.7
  Bottom w0.2: D50.2 52.41,63.77 K50.2 55.98,67.09 K50.2
Net-(D51-A): length 11.7
  Bottom w0.2: K51.2 74.76,63.62 K51.2 71.19,60.3 D51.2
Net-(D52-A): length 11.7
  Bottom w0.2: K52.2 92.79,57.24 K52.2 89.21,53.93 D52.2
Net-(D53-A): length 11.7
  Bottom w0.2: K53.2 110.8,50.83 K53.2 107.22,47.52 D53.2
Net-(D54-A): length 11.4
  Bottom w0.2: K54.2 174.72,50.58 K54.2 172.97,46.1 D54.2
Net-(D55-A): length 11.4
  Bottom w0.2: D55.2 190.97,52.52 K55.2 192.72,56.99 K55.2
Net-(D56-A): length 11.5
  Bottom w0.2: K56.2 210.73,63.38 K56.2 209.29,58.73 D56.2
Net-(D57-A): length 11.5
  Bottom w0.2: K57.2 229.53,66.85 K57.2 228.08,62.2 D57.2
Net-(D58-A): length 11.5
  Bottom w0.2: D58.2 247.27,64.17 K58.2 248.71,68.83 K58.2
Net-(D59-A): length 11.4
  Bottom w0.2: D59.2 265.75,67.83 K59.2 267.5,72.31 K59.2
Net-(D60-A): length 11.5
  Bottom w0.2: D60.2 290.47,71.93 K60.2 293.07,76.05 K60.2
Net-(D61-A): length 11.5
  Bottom w0.2: K61.2 312.12,76.05 K61.2 309.52,71.93 D61.2
Net-(D62-A): length 11.5
  Bottom w0.2: D62.2 328.57,71.93 K62.2 331.17,76.05 K62.2
Net-(D63-A): length 11.5
  Bottom w0.2: K63.2 350.22,76.05 K63.2 347.62,71.93 D63.2
Net-(D64-A): length 11.5
  Bottom w0.2: D64.2 28.28,47.35 K64.2 31.85,50.66 K64.2
Net-(D65-A): length 11.5
  Bottom w0.2: D65.2 47.47,45.38 K65.2 51.05,48.69 K65.2
Net-(D66-A): length 11.5
  Bottom w0.2: K66.2 69.83,45.22 K66.2 66.26,41.9 D66.2
Net-(D67-A): length 11.5
  Bottom w0.2: D67.2 84.27,35.52 K67.2 87.85,38.83 K67.2
Net-(D68-A): length 11.5
  Bottom w0.2: D68.2 102.29,29.13 K68.2 105.87,32.43 K68.2
Net-(D69-A): length 11.4
  Bottom w0.2: D69.2 120.4,17.13 122.89,21.45 K69.2 127.2,23.72 K69.2
Net-(D70-A): length 11.5
  Bottom w0.2: D70.2 158.13,18.41 K70.2 156.79,20.04 K70.2
Net-(D71-A): length 11.4
  Bottom w0.2: K71.2 179.65,32.19 K71.2 177.89,27.72 D71.2
Net-(D72-A): length 11.4
  Bottom w0.2: D72.2 195.91,34.1 K72.2 197.65,38.58 K72.2
Net-(D73-A): length 11.5
  Bottom w0.2: D73.2 214.23,40.3 K73.2 215.66,44.97 K73.2
Net-(D74-A): length 11.4
  Bottom w0.2: D74.2 232.71,43.96 K74.2 234.45,48.44 K74.2
Net-(D75-A): length 11.5
  Bottom w0.2: D75.2 252.21,45.77 K75.2 253.64,50.43 K75.2
Net-(F1-Pad1): length 1.6
  Bottom w0.4: FB1.1 134.23,97.01 134.55,97.34 F1.1
Net-(U1-BP): length 1.6
  Bottom w0.4: U1.4 140.57,96.73 CBP1.1
Net-(U1-IN): length 4
  Bottom w0.4: FB1.2 135.89,95.52 C1.1 U1.1
Net-(U3-USB_DM): length 4.6
  Bottom w0.15: R4.2 140.98,87.66 141.22,87.42 141.72,87.42 141.86,87.28 141.86,85.02 141.79,84.95 U3.46
Net-(U3-USB_DP): length 4
  Bottom w0.15: U3.47 142.19,87.9 R3.2
Net-(USB1-CC1): length 4.3
  Bottom w0.3: R5.2 141.94,102.36 USB1.A5 141.94,102.79
Net-(USB1-CC2): length 2.9
  Bottom w0.3: USB1.B5 144.94,102.24 R6.2
Net-(USB1-SHIELD): length 28.4
  Top w0.25: USB1.S1 147.34,104.05 139.03,104.05 USB1.S1
  Bottom w0.25: R8.1 148.8,101.46 ; USB1.S1 USB1.S1 ; USB1.S1 USB1.S1
  Bottom w0.3: 148.8,101.46 C9.1 ; USB1.S1 150.77,103.46 R8.1
unconnected-(DLED1-K-Pad1): length 1
  Bottom w0.3: R9.1 136.46,92.21 DLED1.2

## Copper pours and planes (outline as drawn; the poured copper is in the pictures)
+1V1 on Bottom: 141.24,82.52 144.94,82.52 144.94,79.02 142.22,79.02 142.22,78.34 142.89,78.34 142.89,78.62 145.39,78.62 145.39,82.99 142.39,82.99 142.39,83.62 141.54,83.62 141.54,84.69 141.24,84.69
+3V3 on Bottom: 139.16,84.92 139.16,83.23 140.34,83.23 140.34,77.92 142.84,77.92 142.84,76.84 143.14,76.84 143.15,77.92 146.05,77.92 146.03,83.22 147.14,83.22 147.14,83.57 143.08,83.57 143.08,84.72 142.48,84.72 142.48,82.99 145.39,82.99 145.39,78.62 142.89,78.62 142.89,78.34 142.22,78.34 142.22,79.02 141.44,79.02 141.44,82.21 141.09,82.21 141.09,84.92
GND on Top: 365.41,144.34 282.85,144.12 220.32,135.75 157.57,118.8 149.53,114.59 136.39,114.1 92.49,129.95 19.5,142.78 -4.77,55.71 14.5,26.17 131.19,-6.85 169.35,-5.02 276.32,32.59 285.49,52.96 366.22,53.69 370.8,62.5 369.34,144.14 365.12,144.88
GND on Bottom: 365.22,144.41 282.66,144.19 220.13,135.82 157.38,118.87 149.34,114.66 136.2,114.17 92.3,130.02 19.31,142.85 -4.96,55.78 14.31,26.24 131,-6.78 169.16,-4.95 276.13,32.66 285.3,53.03 366.03,53.76 370.61,62.57 369.15,144.21 364.93,144.95

Small or netless copper shapes (teardrops, artwork), in the pictures only: 298 on Top, 607 on Bottom

## Text on the board
B.Silkscreen: GP14 / GP13 / GP12 / GP11 / GND | SWD / GND / SWCLK | RST | BOOT
